# Allegro board MB1219_REVB_160112.brd (continued)
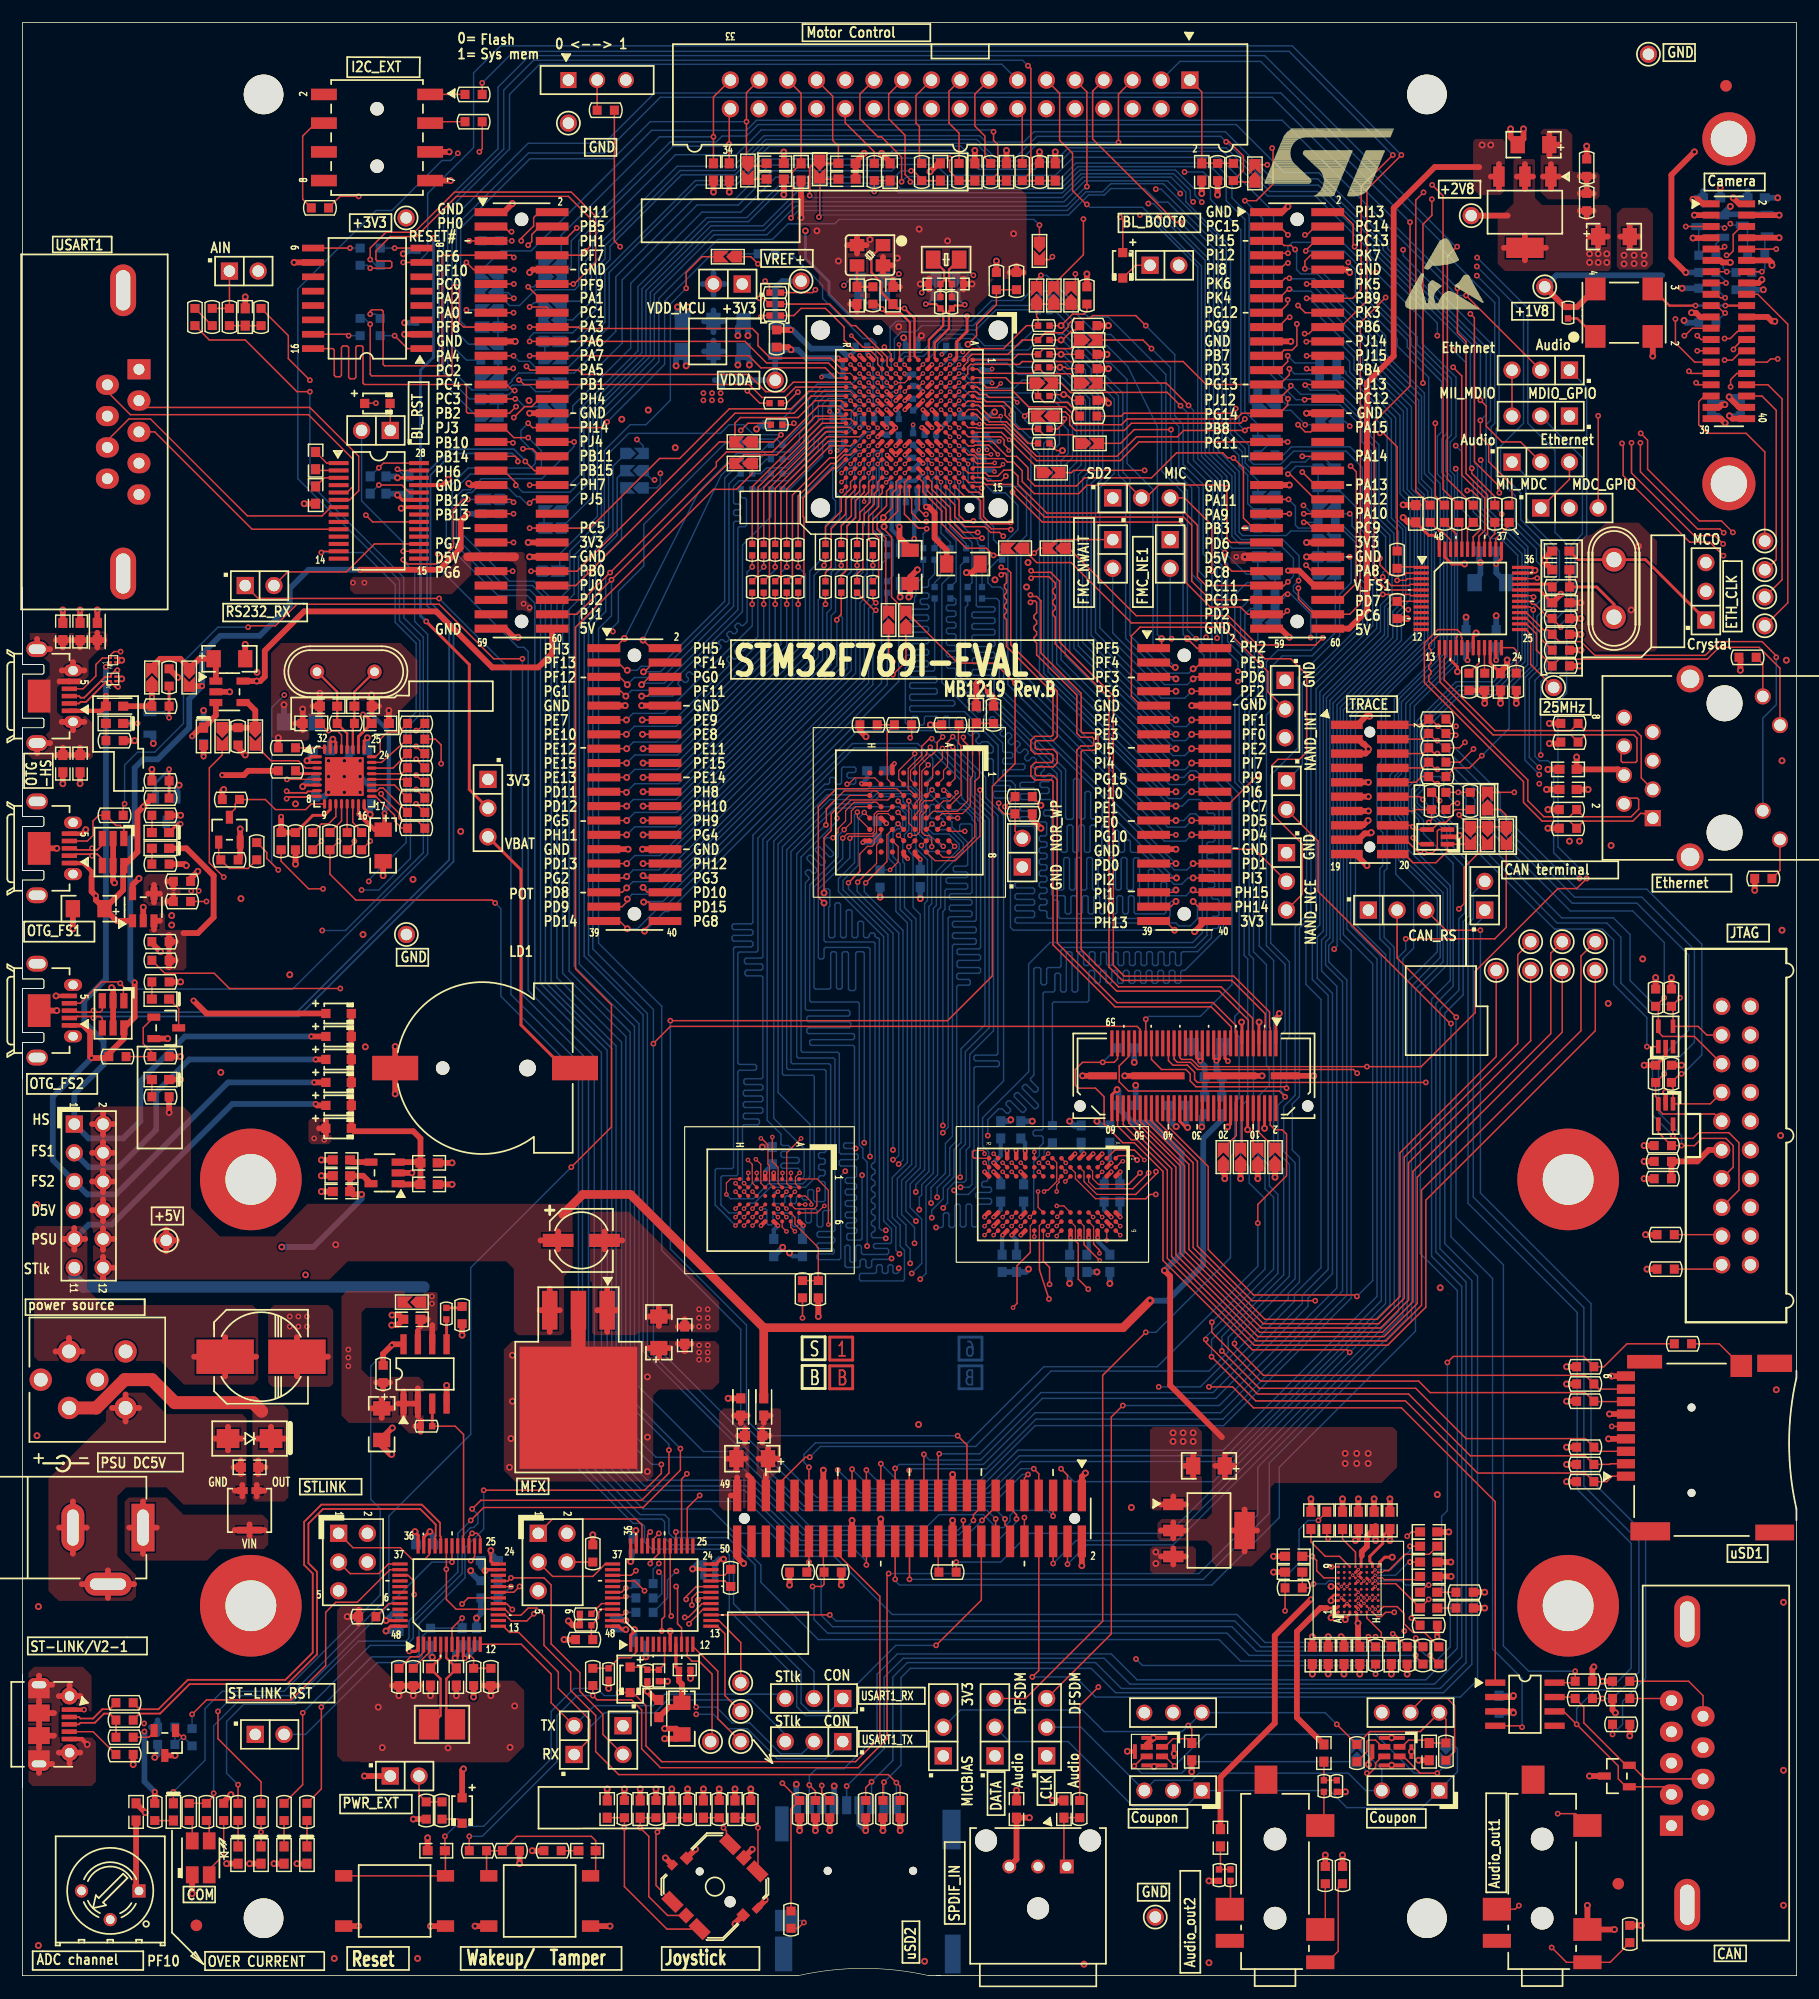
[diagram p0: board, top side]
## Copper pours and planes (outline as drawn; the poured copper is in the pictures) (continued)
NETC12_2 on BOTTOM (solid shape): 48.11,136.93 47.19,136.93 46.68,137.44 47.19,137.95 48.11,137.95
NETC13_2 on BOTTOM (solid shape): 41.43,141.6 40.93,141.1 40.01,141.1 40.01,142.11 40.93,142.11
NETC14_2 on BOTTOM (solid shape): 48.13,147.45 47.21,147.45 46.7,147.96 47.21,148.46 48.13,148.46
NETC15_1 on BOTTOM (solid shape): 41.43,139.45 40.93,138.94 40.01,138.94 40.01,139.95 40.93,139.95
NETC17_1 on TOP (solid shape): 64.64,158.37 63.63,158.37 63.63,159.73 64.13,159.22 64.64,159.73
NETC18_2 on TOP (solid shape): 70.99,158.5 69.98,158.5 69.98,159.86 70.48,159.35 70.99,159.86
NETC18_2 on BOTTOM (solid shape): 116.59,126.49 115.22,126.49 115.73,127 115.22,127.51 116.59,127.51
NETC33_1 on TOP: 0.89,107.57 0.51,107.95 0.51,109.6 0.64,109.73 2.03,109.73 2.41,110.11 2.41,111.51 2.16,111.76 0.76,111.76 0.53,111.99 0.53,114.5 0.58,114.55 0.64,114.55 0.68,114.6 2,114.6 2.39,115 2.39,116.07 2,116.47 0.76,116.47 0.64,116.59 0.64,118.75 5.72,118.75 5.84,118.87 7.24,118.87 7.49,118.62 7.49,117.6 7.11,117.22 6.73,117.22 5.84,116.33 5.84,114.94 5.08,114.17 3.3,114.17 3.05,113.92 3.05,111.76 3.43,111.38 5.59,111.38 6.22,110.74 6.22,107.82 5.97,107.57
NETC33_1 on L2_GND, L3_VCC, L5_GND: 0.51,107.44 0.51,109.85 2,109.85 2.39,110.25 2.39,111.32 2,111.72 0.51,111.72 0.51,114.6 2,114.6 2.39,115 2.39,116.07 2,116.47 0.51,116.47 0.51,118.75 7.39,118.75 7.49,118.64 7.49,117.58 7.13,117.22 6.75,117.22 5.84,116.31 5.84,115.17 4.97,114.3 3.2,114.3 2.79,113.9 2.79,111.65 3.2,111.25 5.74,111.25 6.1,110.89 6.1,107.8 5.74,107.44
NETC35_1 on TOP (solid shape): 15.24,115.16 14.73,114.65 14.22,115.16 14.22,116.08 15.24,116.08
NETC35_1 on TOP (solid shape): 11.94,114.72 11.43,115.22 10.92,114.71 10.92,116.08 11.94,116.08
NETC59_1 on TOP: 65.15,50.16 66.93,50.16 67.06,50.04 67.06,44.83 66.17,43.94 65.41,43.94 64.9,44.45 64.9,49.91
NETC59_2 on TOP: 61.98,50.16 63.88,50.16 64.26,49.78 64.26,44.32 64.77,43.81 64.77,41.15 61.98,41.15 61.59,41.53 61.59,49.78
NETC62_1 on TOP: 23.11,50.42 23.5,50.04 23.5,42.29 23.11,41.91 20.57,41.91 20.32,42.16 20.32,50.16 20.57,50.42
NETC62_2 on TOP: 9.65,33.15 3.18,33.15 2.29,34.04 2.29,43.94 7.37,49.02 7.37,49.91 9.02,51.56 10.8,51.56 12.7,49.66 19.43,49.66 19.81,49.28 19.81,41.91 19.56,41.66 14.22,41.66 12.7,43.18 9.14,43.18 8.38,42.42 8.38,37.08 10.03,35.43 10.03,33.53
NETC136_2 on L4_SIG: 131.19,126.36 131.57,125.98 131.57,116.46 130.81,115.7 127.38,115.7 127,116.08 127,125.98 127.38,126.36
NETCN1_3 on TOP (solid shape): 92.71,125.73 91.79,125.73 91.28,126.24 91.79,126.75 92.71,126.75
NETCN1_5 on BOTTOM (solid shape): 48.13,144.02 46.77,144.02 47.28,144.53 46.77,145.03 48.13,145.03
NETCN1_9 on BOTTOM (solid shape): 48.01,123.7 46.64,123.7 47.15,124.21 46.64,124.71 48.01,124.71
NETCN1_11 on BOTTOM (solid shape): 111.25,124.97 110.33,124.97 109.82,125.48 110.33,125.98 111.25,125.98
NETCN1_13 on BOTTOM (solid shape): 48.13,140.34 46.77,140.34 47.28,140.85 46.77,141.35 48.13,141.35
NETCN1_21 on BOTTOM (solid shape): 110.14,135.76 109.63,135.25 108.71,135.25 108.71,136.27 109.63,136.27
NETCN1_23 on BOTTOM (solid shape): 110.14,138.56 109.63,138.05 108.71,138.05 108.71,139.06 109.63,139.06
NETCN4_33 on TOP (solid shape): 109.47,159.29 108.97,159.8 108.46,159.29 108.46,160.66 109.47,160.66
NETCN5_3 on BOTTOM (solid shape): 76.71,149.7 76.2,149.19 75.69,149.7 75.69,150.62 76.71,150.62
NETCN5_6 on BOTTOM (solid shape): 74.55,149.7 74.04,149.19 73.53,149.7 73.53,150.62 74.55,150.62
NETCN6_3 on BOTTOM (solid shape): 81.28,149.7 80.77,149.19 80.26,149.7 80.26,150.62 81.28,150.62
NETCN6_4 on BOTTOM (solid shape): 82.93,149.7 82.42,149.19 81.92,149.7 81.92,150.62 82.93,150.62
NETCN12_12 on TOP (solid shape): 91.57,140.34 90.21,140.34 90.71,140.84 90.2,141.35 91.57,141.35
NETCN12_14 on TOP (solid shape): 95.5,140.34 94.14,140.34 94.65,140.84 94.14,141.35 95.5,141.35
NETCN12_16 on TOP (solid shape): 95.5,144.15 94.14,144.15 94.65,144.65 94.14,145.16 95.5,145.16
NETCN12_18 on TOP (solid shape): 90.17,148.5 89.66,149 89.15,148.49 89.15,149.86 90.17,149.86
NETCN12_20 on TOP (solid shape): 128.52,99.57 127.51,99.57 127.51,100.93 128.01,100.42 128.52,100.93
NETCN14_4 on BOTTOM (solid shape): 40.99,130.55 41.49,130.05 40.13,130.05 40.13,131.06 41.5,131.06
NETCN15_8 on TOP (solid shape): 111.25,72.3 110.75,72.8 110.24,72.29 110.24,73.66 111.25,73.66
NETCN15_10 on TOP (solid shape): 109.73,72.3 109.22,72.8 108.71,72.29 108.71,73.66 109.73,73.66
NETCN15_14 on TOP (solid shape): 108.2,72.3 107.7,72.8 107.19,72.29 107.19,73.66 108.2,73.66
NETCN15_16 on TOP (solid shape): 106.68,72.3 106.17,72.8 105.66,72.29 105.66,73.66 106.68,73.66
NETCN15_39 on BOTTOM (solid shape): 40.86,147.32 41.37,146.81 40.01,146.81 40.01,147.83 41.37,147.83
NETCN15_45 on BOTTOM (solid shape): 116.59,124.97 115.22,124.97 115.73,125.48 115.22,125.98 116.59,125.98
NETCN15_47 on TOP (solid shape): 95.63,135 94.27,135 94.78,135.51 94.27,136.02 95.63,136.02
NETCN17_3 on BOTTOM (solid shape): 109.57,119.63 110.07,119.13 108.71,119.13 108.71,120.14 110.08,120.14
NETCN17_7 on BOTTOM (solid shape): 111.25,123.44 110.33,123.44 109.82,123.95 110.33,124.46 111.25,124.46
NETCN19_1 on TOP: 9.4,42.29 12.7,42.29 14.22,40.77 21.21,40.77 21.72,40.26 21.72,38.13 21.31,37.72 17.32,37.72 16.31,36.7 9.78,36.7 9.02,37.47 9.02,41.91
NETJP3_2 on BOTTOM (solid shape): 40.86,150.49 41.37,149.99 40.01,149.99 40.01,151 41.37,151
NETJP6_2 on BOTTOM (solid shape): 48.13,145.92 47.21,145.92 46.7,146.43 47.21,146.94 48.13,146.94
NETJP13_3 on TOP (solid shape): 77.09,119.54 77.09,118.62 76.07,118.62 76.07,119.54 76.58,120.05
NETJP17_3 on TOP (solid shape): 89.03,125.73 88.11,125.73 87.6,126.24 88.11,126.75 89.03,126.75
NETJP26_2 on BOTTOM (solid shape): 109.57,129.28 110.07,128.78 108.71,128.78 108.71,129.79 110.08,129.79
NETL2_1 on TOP (solid shape): 11.94,114.46 11.94,113.54 10.92,113.54 10.92,114.46 11.43,114.97
NETLD8_2 on TOP: 11.18,93.85 11.3,93.98 12.45,93.98 12.57,93.85 12.57,92.58 12.7,92.46 14.22,92.46 14.48,92.2 14.48,89.15 14.22,88.9 12.57,88.9 12.45,89.03 12.45,91.69 11.94,92.2 11.3,92.2 11.18,92.33
NETR31_1 on TOP (solid shape): 90.17,148.24 90.17,147.32 89.15,147.32 89.15,148.24 89.66,148.75
NETR31_1 on TOP (solid shape): 91.69,148.24 91.69,147.32 90.68,147.32 90.68,148.24 91.19,148.75
NETR31_1 on TOP (solid shape): 93.22,148.24 93.22,147.32 92.2,147.32 92.2,148.24 92.71,148.75
NETR34_1 on TOP (solid shape): 128.52,101.19 128.02,100.68 127.51,101.19 127.51,102.11 128.52,102.11
NETR34_1 on TOP (solid shape): 130.05,103.54 130.05,102.62 129.03,102.62 129.03,103.54 129.54,104.04
NETR34_1 on TOP (solid shape): 130.05,101.19 129.54,100.68 129.03,101.19 129.03,102.11 130.05,102.11
NETR34_1 on TOP (solid shape): 131.7,101.19 131.19,100.68 130.68,101.19 130.68,102.11 131.7,102.11
NETR35_1 on TOP (solid shape): 94.39,144.65 93.88,144.15 92.96,144.15 92.96,145.16 93.88,145.16
NETR37_1 on TOP (solid shape): 94.39,140.84 93.88,140.34 92.96,140.34 92.96,141.35 93.88,141.35
NETR39_1 on TOP (solid shape): 90.46,140.84 89.95,140.34 89.03,140.34 89.03,141.35 89.95,141.35
NETR47_2 on BOTTOM (solid shape): 116.84,136.93 115.92,136.93 115.41,137.44 115.92,137.95 116.84,137.95
NETR48_2 on BOTTOM (solid shape): 48.13,127.51 47.21,127.51 46.7,128.02 47.21,128.52 48.13,128.52
NETR49_2 on BOTTOM (solid shape): 41.43,137.92 40.93,137.41 40.01,137.41 40.01,138.43 40.93,138.43
NETR50_2 on BOTTOM (solid shape): 48.13,142.49 46.77,142.49 47.28,143 46.77,143.51 48.13,143.51
NETR51_2 on BOTTOM (solid shape): 48.13,149.73 46.77,149.73 47.28,150.24 46.77,150.75 48.13,150.75
NETR61_2 on BOTTOM (solid shape): 48.11,138.46 47.19,138.46 46.68,138.96 47.19,139.47 48.11,139.47
NETR92_2 on TOP (solid shape): 18.16,109.95 17.65,109.44 17.14,109.95 17.14,110.87 18.16,110.87
NETR92_2 on TOP (solid shape): 21.08,109.95 20.57,109.44 20.07,109.95 20.07,110.87 21.08,110.87
NETR129_2 on TOP: 13.97,97.16 13.97,94.74 13.84,94.61 10.92,94.61 10.67,94.87 10.67,97.03 11.05,97.41 13.72,97.41
NETR146_2 on TOP (solid shape): 78.61,119.54 78.61,118.62 77.6,118.62 77.6,119.54 78.11,120.05
NETR213_1 on BOTTOM (solid shape): 54.26,134.62 53.75,134.11 52.83,134.11 52.83,135.13 53.75,135.13
NETR214_1 on TOP (solid shape): 65.02,133.22 64.1,133.22 63.6,133.73 64.1,134.24 65.02,134.24
NETR215_1 on TOP (solid shape): 65.02,135.13 64.1,135.13 63.6,135.64 64.1,136.14 65.02,136.14
NETR216_1 on TOP (solid shape): 90.42,152.88 89.92,152.37 89.41,152.88 89.41,153.8 90.42,153.8
NETR252_2 on TOP (solid shape): 90.01,137.92 90.52,137.41 89.15,137.41 89.15,138.43 90.52,138.43
NETR255_2 on BOTTOM (solid shape): 65.15,135 63.79,135 64.3,135.51 63.79,136.02 65.15,136.02
NETSB12_2 on TOP (solid shape): 91.69,137.41 90.77,137.41 90.27,137.92 90.77,138.43 91.69,138.43
NETSB23_1 on TOP (solid shape): 18.16,108.33 17.14,108.33 17.14,109.69 17.65,109.19 18.16,109.7
NETSB24_1 on TOP (solid shape): 21.08,108.33 20.07,108.33 20.07,109.69 20.57,109.19 21.08,109.7
NETSB27_1 on TOP (solid shape): 130.05,99.57 129.03,99.57 129.03,100.93 129.54,100.42 130.05,100.93
NETSB47_1 on BOTTOM (solid shape): 40.86,144.27 41.37,143.76 40.01,143.76 40.01,144.78 41.37,144.78
NETSB58_2 on BOTTOM (solid shape): 64.04,135.51 63.53,135 62.61,135 62.61,136.02 63.53,136.02
NETSB62_1 on BOTTOM (solid shape): 116.59,131.19 115.22,131.19 115.73,131.7 115.22,132.21 116.59,132.21
NETSB78_1 on BOTTOM (solid shape): 125.86,19.27 126.36,19.78 126.36,18.41 125.35,18.41 125.35,19.78
NETSB79_2 on BOTTOM (solid shape): 118.49,19.34 118.49,18.41 117.47,18.41 117.47,19.34 117.98,19.84
PA0 on BOTTOM (solid shape): 42.55,146.81 41.62,146.81 41.12,147.32 41.62,147.83 42.55,147.83
PA0 on BOTTOM (solid shape): 42.55,145.29 41.62,145.29 41.12,145.8 41.62,146.3 42.55,146.3
PA0 on BOTTOM (solid shape): 42.55,143.76 41.62,143.76 41.12,144.27 41.62,144.78 42.55,144.78
PA1 on BOTTOM (solid shape): 47.02,151.76 46.51,151.26 45.59,151.26 45.59,152.27 46.51,152.27
PA1 on BOTTOM (solid shape): 47.02,150.24 46.51,149.73 45.59,149.73 45.59,150.75 46.51,150.75
PA2 on BOTTOM (solid shape): 42.55,149.99 41.62,149.99 41.12,150.5 41.62,151 42.55,151
PA2 on BOTTOM (solid shape): 42.55,148.34 41.62,148.34 41.12,148.84 41.62,149.35 42.55,149.35
PA7 on BOTTOM (solid shape): 47.02,144.53 46.51,144.02 45.59,144.02 45.59,145.03 46.51,145.03
PA7 on BOTTOM (solid shape): 47.02,143 46.51,142.49 45.59,142.49 45.59,143.51 46.51,143.51
PA8 on BOTTOM (solid shape): 115.47,127 114.97,126.49 114.05,126.49 114.05,127.51 114.97,127.51
PA8 on BOTTOM (solid shape): 115.47,125.48 114.97,124.97 114.05,124.97 114.05,125.98 114.97,125.98
PA8 on BOTTOM (solid shape): 115.47,123.95 114.97,123.44 114.05,123.44 114.05,124.46 114.97,124.46
PA9 on BOTTOM (solid shape): 111.25,128.78 110.33,128.78 109.82,129.29 110.33,129.79 111.25,129.79
PA11 on BOTTOM (solid shape): 111.25,130.3 110.33,130.3 109.82,130.81 110.33,131.32 111.25,131.32
PA12 on BOTTOM (solid shape): 115.47,133.22 114.97,132.72 114.05,132.72 114.05,133.73 114.97,133.73
PA12 on BOTTOM (solid shape): 115.47,131.7 114.97,131.19 114.05,131.19 114.05,132.21 114.97,132.21
PA12 on BOTTOM (solid shape): 115.47,130.18 114.97,129.67 114.05,129.67 114.05,130.68 114.97,130.68
PAR_D0 on TOP (solid shape): 91.03,126.24 91.54,125.73 90.17,125.73 90.17,126.75 91.53,126.75
PAR_D2 on TOP (solid shape): 87.34,126.24 87.85,125.73 86.49,125.73 86.49,126.75 87.85,126.75
PAR_D2 on BOTTOM (solid shape): 109.57,125.47 110.07,124.97 108.71,124.97 108.71,125.98 110.08,125.98
PAR_D2 on BOTTOM (solid shape): 109.57,123.95 110.07,123.44 108.71,123.44 108.71,124.46 110.08,124.46
PAR_D6 on TOP (solid shape): 91.69,148.5 91.19,149 90.68,148.49 90.68,149.86 91.69,149.86
PAR_D7 on TOP (solid shape): 130.05,103.79 129.54,104.3 129.03,103.79 129.03,105.16 130.05,105.16
PAR_D11 on BOTTOM (solid shape): 111.25,119.13 110.33,119.13 109.82,119.63 110.33,120.14 111.25,120.14
PB0 on BOTTOM (solid shape): 46.89,124.21 46.39,123.7 45.47,123.7 45.47,124.71 46.39,124.71
PB1 on BOTTOM (solid shape): 47.02,140.84 46.51,140.34 45.59,140.34 45.59,141.35 46.51,141.35
PB4 on TOP (solid shape): 91.09,132.92 90.58,132.41 89.66,132.41 89.66,133.43 90.58,133.43
PB5 on TOP (solid shape): 63.63,151.51 62.71,151.51 62.2,152.02 62.71,152.53 63.63,152.53
PB10 on BOTTOM (solid shape): 55.37,131.06 54.45,131.06 53.94,131.57 54.45,132.08 55.37,132.08
PB11 on BOTTOM (solid shape): 55.37,132.59 54.45,132.59 53.94,133.1 54.45,133.6 55.37,133.6
PB12 on BOTTOM (solid shape): 42.67,130.05 41.75,130.05 41.24,130.56 41.75,131.06 42.67,131.06
PC1 on BOTTOM (solid shape): 46.45,147.95 46.95,147.45 45.59,147.45 45.59,148.46 46.96,148.46
PC1 on BOTTOM (solid shape): 46.45,146.43 46.95,145.92 45.59,145.92 45.59,146.94 46.96,146.94
PC2 on BOTTOM (solid shape): 42.55,141.1 41.18,141.1 41.69,141.61 41.18,142.11 42.55,142.11
PC3 on BOTTOM (solid shape): 46.42,138.96 46.93,138.46 45.57,138.46 45.57,139.47 46.93,139.47
PC3 on BOTTOM (solid shape): 46.42,137.44 46.93,136.93 45.57,136.93 45.57,137.95 46.93,137.95
PC4 on BOTTOM (solid shape): 42.55,138.94 41.18,138.94 41.69,139.45 41.18,139.95 42.55,139.95
PC4 on BOTTOM (solid shape): 42.55,137.41 41.18,137.41 41.69,137.92 41.18,138.43 42.55,138.43
PC5 on BOTTOM (solid shape): 46.45,129.54 46.95,129.03 45.59,129.03 45.59,130.05 46.96,130.05
PC5 on BOTTOM (solid shape): 46.45,128.01 46.95,127.51 45.59,127.51 45.59,128.52 46.96,128.52
PC14 on BOTTOM (solid shape): 82.43,148.94 82.93,149.44 82.93,148.08 81.92,148.08 81.92,149.45
PC15 on BOTTOM (solid shape): 80.77,148.94 81.28,149.44 81.28,148.08 80.26,148.08 80.26,149.45
PG7 on TOP (solid shape): 77.09,119.8 76.58,120.3 76.07,119.79 76.07,121.16 77.09,121.16
PG11 on BOTTOM (solid shape): 111.25,135.25 109.89,135.25 110.4,135.77 109.89,136.27 111.25,136.27
PH0 on BOTTOM (solid shape): 76.2,148.94 76.71,149.44 76.71,148.08 75.69,148.08 75.69,149.45
PH1 on BOTTOM (solid shape): 74.04,148.94 74.55,149.44 74.55,148.08 73.53,148.08 73.53,149.45
PH6 on BOTTOM (solid shape): 111.25,138.05 109.89,138.05 110.4,138.56 109.89,139.06 111.25,139.06
PH6 on BOTTOM (solid shape): 115.16,137.44 115.66,136.93 114.3,136.93 114.3,137.95 115.67,137.95
T_JRST on TOP (solid shape): 92.2,132.41 90.84,132.41 91.35,132.92 90.84,133.43 92.2,133.43
U5V_ST_LINK on TOP (solid shape): 35.69,59.05 34.77,59.05 34.26,59.56 34.77,60.07 35.69,60.07
U5V_ST_LINK on TOP: 35.18,60.45 36.58,60.45 36.7,60.33 36.7,57.15 36.58,57.02 34.92,57.02 34.8,57.15 34.8,60.07
U5V_ST_LINK on BOTTOM: 36.7,59.18 36.58,59.05 35.56,59.05 35.31,59.31 35.31,61.34 35.43,61.47 36.58,61.47 36.7,61.34
VUSB_ST_LINK on TOP (solid shape): 34,59.57 34.51,59.05 33.15,59.05 33.15,60.07 34.51,60.07
VUSB_ST_LINK on L4_SIG (solid shape): 29.34,56.87 29.34,52.6 29.21,52.48 28.35,52.48 28.22,52.6 28.22,56.87 28.47,57.12 29.08,57.12
VUSB_ST_LINK on TOP: 26.92,75.82 27.3,75.44 27.3,73.79 27.05,73.53 25.53,73.53 25.27,73.79 25.27,75.56 25.53,75.82
VUSB_ST_LINK on TOP: 35.05,52.96 35.46,52.55 35.46,48.08 35.33,47.96 34.19,47.96 33.25,48.9 28.83,48.9 28.19,49.53 28.19,60.07 28.7,60.58 33.66,60.58 33.78,60.45 33.78,59.18 33.66,59.05 30.35,59.05 29.97,58.67 29.97,53.59 30.61,52.96
VUSB_ST_LINK on BOTTOM: 12.32,21.21 9.83,21.21 8.43,22.61 5.46,22.61 5.08,22.99 5.08,23.88 5.33,24.13 9.02,24.13 10.29,22.86 12.32,22.86 12.57,22.61 12.57,21.46
VUSB_ST_LINK on L4_SIG: 12.14,21.23 11.96,21.06 9.96,21.06 9.75,21.26 9.75,22.76 9.93,22.94 11.96,22.94 12.14,22.76
VUSB_ST_LINK on L4_SIG: 25.53,75.82 26.54,75.82 26.92,75.44 26.92,73.53 26.8,73.41 25.53,73.41 25.27,73.66 25.27,75.56
GND on TOP (solid shape): 1.9,26.33 2.25,26.18 2.4,25.82 2.4,24.52 0.5,24.52 0.5,25.82 0.65,26.18 1,26.33
GND on TOP (solid shape): 2.4,18.63 2.25,18.27 1.9,18.12 1,18.12 0.65,18.27 0.5,18.63 0.5,19.93 2.4,19.93

Small or netless copper shapes (teardrops, artwork), in the pictures only: 8 on TOP

## Text on the board
Ref Des/Silkscreen Bottom: STLINK | MFX | uSD2 | Rev.B | B | MB1219
Ref Des/Silkscreen Top: USART1_RX | USART1_TX | STlk | OTG_FS1 | power source | OTG_FS2 | ST-LINK/V2-1 | FS1 | FS2 | D5V | PSU | HS | ADC channel | USART1 | PSU DC5V | PF10 | +5V | COM | OVER CURRENT | AIN | RS232_RX | ST-LINK RST | STLINK | PWR_EXT | I2C_EXT | +3V3 | GND | RESET# | PB10 | PB14 | PH6 | PB12 | PB13 | PG7 | PG6 | PC4 | PC3 | PB2 | PJ3 | PF6 | PC0 | PA2 | PA0 | PA4 | PC2 | PF8 | PH0 | 0= | 1= | Flash | Sys mem | VBAT | 3V3 | POT | LD1 | MFX | TX | RX | PH3 | PF13 | PF12 | PG1 | PE7 | PE10 | PE12 | PE15 | PE13 | PD11 | PD12 | PG5 | PH11 | PD13 | PG2 | PD8 | PD9 | PD14 | 0 <--> 1 | PI11 | PB5 | PH1 | PF7 | PF9 | PA1 | PC1 | PA3 | PA6 | PA7 | PA5 | PB1 | PH4 | PI14 | PJ4 | PB11 | PB15 | PH7 | PJ5 | PC5 | PB0 | PJ0 | PJ2 | PJ1 | 5V | VDD_MCU | PH5 | PF14 | PG0 | PF11 | PE9 | PE8 | PE11 | PF15 | PE14 | PH8 | PH10 | PH9 | PG4 | PH12 | PG3 | PD10 | PD15 | PG8 | VDDA | VREF+ | Motor Control | CON | SD2 | PE4 | PE3 | PI5 | PI4 | PG15 | PI10 | PE1 | PE0 | PG10 | PD0 | PI2 | PI1 | PI0 | PH13 | PF5 | PF4 | PF3 | PE6 | BL_BOOT0 | Coupon | MIC | PG12 | PG9 | PB7 | PD3 | PG13 | PJ12 | PG14 | PB8 | PG11 | PA11 | PA9 | PB3 | PD6 | PC8 | PC11 | PC10 | PD2 | PC15 | PI15 | PI12 | PI8 | PK6 | PK4 | PH15 | PH14 | PH2 | PE5 | PF2 | PF1 | PF0 | PE2 | PI7 | PI9 | PI6 | PC7 | PD5 | PD4 | PD1 | PI3 | TRACE | V_FS1 | PI13 | PC14 | PC13 | PK7 | PK5 | PB9 | PK3 | PB6 | PJ14 | PJ15 | PB4 | PJ13 | PC12 | PA15 | PA14 | PA13 | PA12 | PA10 | PC9 | PA8 | PD7 | PC6 | CAN_RS | MII_MDIO | +2V8 | Ethernet | Audio | MII_MDC | CAN terminal | +1V8 | MDIO_GPIO | 25MHz | MDC_GPIO | Crystal | MCO | Camera | CAN | JTAG | uSD1 | OTG | -HS | BL_RST | uSD2 | SPDIF_IN | MICBIAS | DATA | DFSDM | CLK | NOR_WP | FMC_NWAIT | FMC_NE1 | Audio_out2 | NAND_INT | NAND_NCE | Audio_out1 | ETH_CLK | S | B | Reset | Wakeup/ | Tamper | Joystick | MB1219 Rev.B | STM32F769I-EVAL
User.23: 1 | 3 | 5.1 | 6.1 | 8.9 | 9.9 | N/A | 90 OHM | 100 OHM | +/-10%
User.32: CN8 | CN1 | B1 | U4 | B2 | CN16 | CN3 | CN10 | CN4 | CN14_1 | U21 | CN5 | CN11 | RV2 | U10 | U27 | U7 | CN12 | U5 | CN14 | CN9 | CN13 | CN7 | CN23 | 1 | 845.00 | 545.00 | ST-Link | MB1063 | 0.00 | MB1043 | Designator5 | 400.00 | SDRAM | Speaker connector | Designator6 | Ethernet | Memory connector | Memory Connector | 118.36427 (mm)
User.39: 59 | 60 | 50 | 40 | 30 | 20 | 10 | 2 | 1 | 6 | 25
User.42: FIGURE | SIZE | 6.0 | 8.0 | 10.0 | 12.0 | 30.0 | 32.0 | 33.0 | 38.0 | 40.0 | 48.0 | 53.0 | 64.0 | 126.0 | 177.0 | 28.0 | 33.46 | 39.0 | 47.0 | 58.0 | 67.0 | 77.0 | 79.0 | 125.0 | 138.0 | 33.0x30.0 | 51.0x24.0 | 59.0x33.0 | 126.0x40.0 | 140.0x50.0 | TOLERANCE | +3.0/-3.0 | +2.0/-2.0 | +5.0/-5.0 | DRILL CHART: TOP to BOTTOM | ALL UNITS ARE IN MILS | PLATED | NON-PLATED | ROTATION | - | 0.000 | 90.000 | QTY | 24 | 294 | 737 | 601 | 5 | 3 | 2 | 18 | 202 | 6 | 4 | 1 | 11 | 1966 | TOTAL HOLES:
